# Altium PCB LPCB235R0.PcbDoc (part 3 of 7)
Units mm, origin at the board's own origin, x right, y up, seen from the top; angles counter-clockwise.
Board outline 134 x 120 mm, 6 copper layers (Top Layer, IP1(DGND), MidLayer1, MidLayer2, IP2(D3V3), Bottom Layer), stack 1.623 mm thick; 472 components, 425 nets, 2110 pads, 1126 vias.
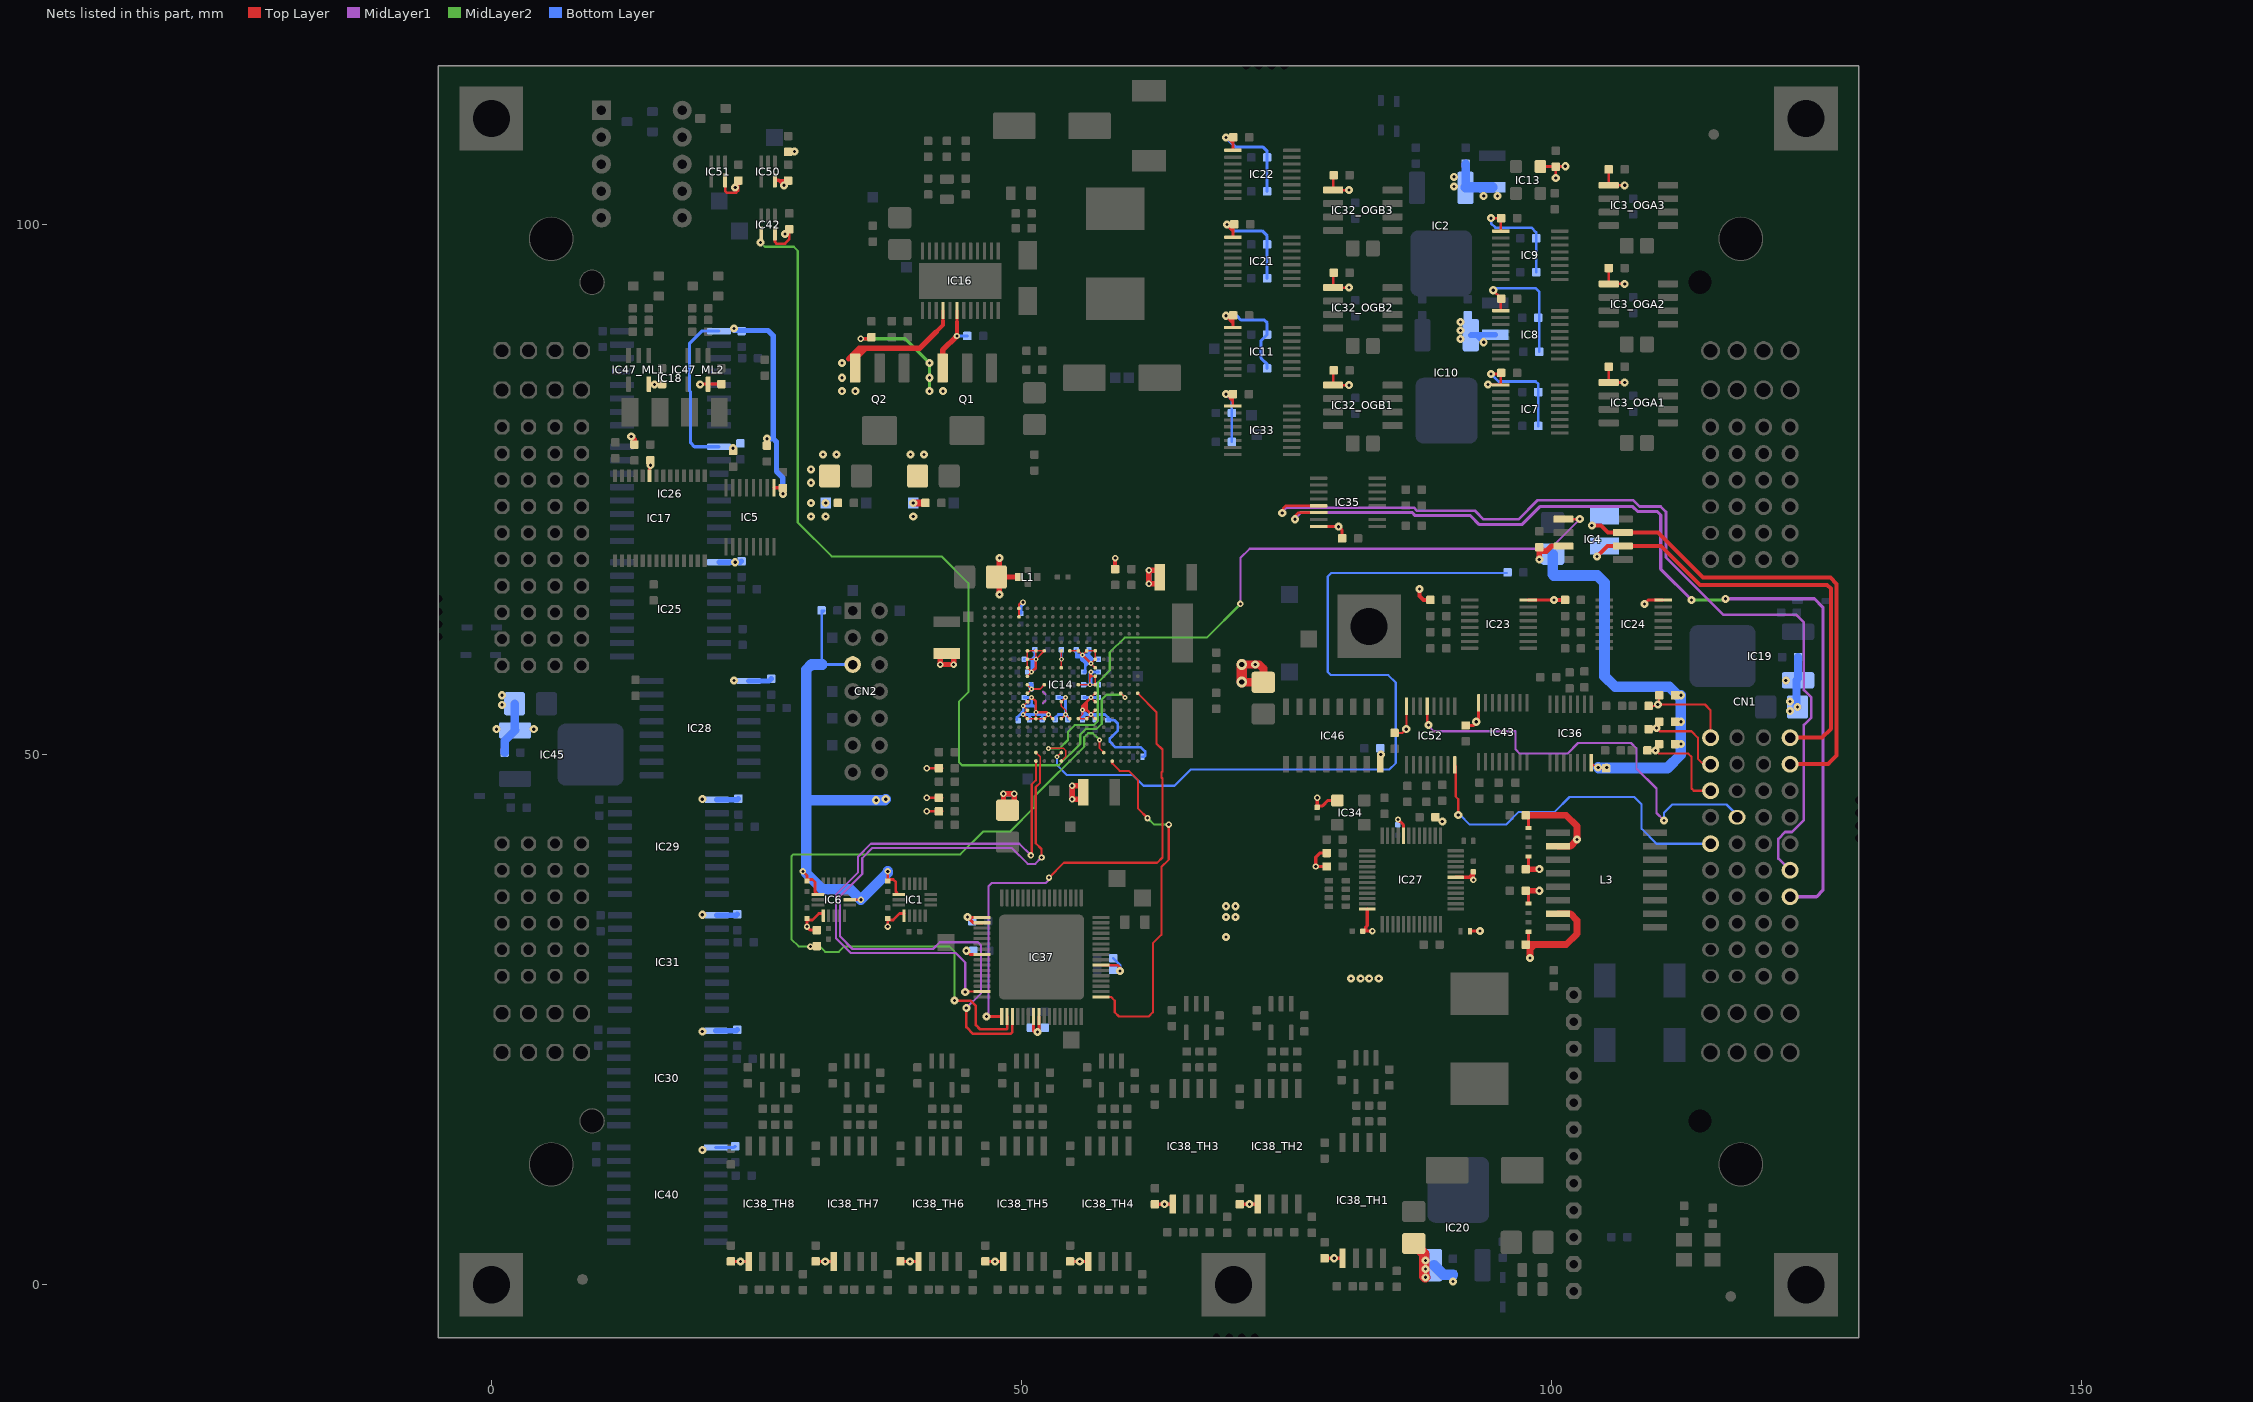
[diagram p7: the nets of this part, all layers, seen from the top]

## Via types
v1: diameter 0.762, hole 0.3, Top Layer to Bottom Layer, tented both sides, 756 vias
v2: diameter 0.61, hole 0.3, Top Layer to Bottom Layer, tented both sides, 135 vias
v3: diameter 0.457, hole 0.2, Top Layer to Bottom Layer, tented both sides, 98 vias
v4: diameter 1.016, hole 0.5, Top Layer to Bottom Layer, tented both sides, 57 vias
v5: diameter 0.6, hole 0.3, Top Layer to Bottom Layer, 30 vias
v6: diameter 0.559, hole 0.3, Top Layer to Bottom Layer, tented both sides, 24 vias
v7: diameter 0.6, hole 0.3, Top Layer to Bottom Layer, tented both sides, 18 vias
v8: diameter 1.1, hole 0.6, Top Layer to Bottom Layer, 8 vias

## Nets (pads, with @x,y where several pads share a name; then routed paths per layer and width w, separated by ;. In a path a pad name is that pad's centre, name@x,y a point inside that pad or via, vN(x,y) a via of type N, cw(c..) or ccw(c..) an arc to the next point about the centre after c; other vN are vias at no path point) (continued)
BRAKE2_SW_EXT: CN1.3D_B IC52.13 | length 40.6
  Top Layer w0.203: IC52.13@88.275,54.575 88.275,52.925 v1(88.4,52.8)
  MidLayer1 w0.203: v1(88.4,52.8) 88.4,52.7 88.9,52.2 96.6,52.2 96.6,50.5 97,50.1 101.5,50.1 102.5,51.1 107.5,51.1 108,50.6 108,48.7 109.9,46.8 109.9,44.5 v1(110.6,43.8)
  Bottom Layer w0.203: v1(110.6,43.8) 110.6,44.5 111.4,45.3 116.5,45.3 117.5,44.3 CN1.3D_B@117.5,44.1
BRAKE2_SW_RET: CN1.4E_B IC52.8 | length 33.3
  Top Layer w0.203: IC52.8@90.875,49.025 90.96,48.94 90.96,46.04 91.2,45.8 v1(91.2,44.3)
  Bottom Layer w0.203: v1(91.2,44.3) 91.4,44.3 92.3,43.4 95.7,43.4 96.9,44.6 100.3,44.6 101.7,46 107.8,46 108.5,45.3 108.5,43 109.9,41.6 CN1.4E_B@115,41.6
CAN_FAST_H: CN1.1B_B IC4.7 R3.1 | length 46.3
  Top Layer w0.381: v1(103.8,71.6) 104.673,71.6 105.327,70.946 IC4.7@106.73,70.946 110.054,70.946 114.3,66.7 126.3,66.7 126.9,66.1 126.9,49.9 126.1,49.1 CN1.1B_B@122.5,49.1
CAN_FAST_L: CN1.1A_B IC4.6 R3.2 | length 41.5
  Top Layer w0.381: v1(104.3,68.7) 105.276,69.676 IC4.6@106.73,69.676 110.324,69.676 114,66 126,66 126.341,65.659 126.341,52.441 125.5,51.6 CN1.1A_B@122.5,51.6
CAN_FAST_RX: IC14.B10 R5.1 | length 75.4
  Top Layer w0.152: v3(53.365,49.795) IC14.B10@53.765,50.195
  Bottom Layer w0.203: v3(53.365,49.795) 53.365,48.995 54.274,48.086 60.496,48.086 61.512,47.07 64.433,47.07 65.957,48.594 84.694,48.594 85.3,49.2 85.3,56.8 84.6,57.5 79.2,57.5 78.9,57.8 78.9,66.8 79.236,67.136 R5.1@95.8,67.136
CAN_FAST_TX: IC4.1 IC14.A10 | length 69.5
  Top Layer w0.152: v3(52.565,50.595) 53.965,50.595 54.165,50.395 54.165,49.795 IC14.A10@53.765,49.395
  Top Layer w0.254: IC4.1@101.13,72.216 v1(102.66,72.216)
  MidLayer1 w0.203: v2(70.656,64.215) 70.656,68.556 71.522,69.422 99.866,69.422 v1(102.66,72.216)
  MidLayer2 w0.203: v3(52.565,50.595) 53.607,50.595 54.4,51.388 54.4,52.15 55.035,52.785 56.813,52.785 57.194,53.166 57.194,56.794 58.337,57.937 58.337,59.643 59.734,61.04 67.481,61.04 v2(70.656,64.215)
CHA_DAC_NCNVT: IC14.B13 IC37.3 | length 66.4
  Top Layer w0.152: IC14.B13@51.365,50.195 51.765,49.795 51.765,48.975
  Top Layer w0.203: 51.765,48.975 51.765,47.356 51.352,46.943 51.352,41.648 51.9,41.1 v2(51.9,40.3)
  Top Layer w0.25: v1(44.8,26.1) 44.8,24.3 45.428,23.672 ; 46.3,23.672 45.428,23.672 ; IC37.3@49.15,25.3 49.15,23.85 48.972,23.672 45.428,23.672
  MidLayer1 w0.203: v1(44.8,26.1) 46.2,27.5 46.2,32 45.9,32.3 43.3,32.3 42.3,32.3 41.665,31.665 34.074,31.665 32.881,32.858 32.881,36.642 34.981,38.742 34.981,40.242 35.939,41.2 49.1,41.2 50.6,39.7 51.3,39.7 v2(51.9,40.3)
CHA_DAC_NDAV: IC14.B5 IC37.2 R78.1 | length 74.8
  Top Layer w0.152: v3(57.365,51.395) 57.365,50.595 IC14.B5@57.765,50.195
  Top Layer w0.25: v1(43.7,26.8) 45.2,26.8 45.7,26.3 45.7,24.5 46.1,24.1 ; 47.3,24.1 46.1,24.1 ; IC37.2@48.65,25.3 48.65,24.15 48.6,24.1 46.1,24.1
  MidLayer2 w0.203: v1(43.7,26.8) 43.7,31.4 43.184,31.916 33.3,31.916 32.784,31.4 31.5,31.4 30.984,31.916 28.984,31.916 28.3,32.6 28.3,40.4 28.493,40.593 44.24,40.593 46.399,42.752 48.939,42.752 51.225,45.038 51.225,46.054 55.924,50.753 55.924,51.642 56.305,52.023 56.737,52.023 v3(57.365,51.395)
  other v2: 30.1,31.9
CHA_DAC_NRST: IC14.J1 IC37.1 | length 47.8
  Top Layer w0.203: v2(52.6,38.4) 54,39.8 62.8,39.8 63.3,40.3 63.3,47.758 63.214,47.844 63.214,48.328 63.3,48.414 63.3,50.489 62.731,51.058 62.731,54.029 IC14.J1@60.965,55.795
  Top Layer w0.25: v1(46.7,25.3) IC37.1@48.15,25.3
  MidLayer1 w0.203: v1(46.7,25.3) 46.9,25.5 46.9,29.6 46.9,37.6 47.2,37.9 52.3,37.9 v2@52.6,38.2
CHA_NDSC_CLR0: IC14.A4 IC37.17 | length 34.3
  Top Layer w0.203: IC37.17@57.5,27.15 58.45,27.15 58.8,26.8 58.8,25.7 59.2,25.3 62,25.3 62.4,25.7 62.4,32.2 63.2,33 63.2,39.4 63.9,40.1 v2(63.9,43.4) ; IC14.A4@58.565,49.395 58.565,49.179 59.277,48.467 60.115,48.467 61.004,47.578 61.004,44.911 v2(61.893,44.022)
  MidLayer2 w0.203: v2(61.893,44.022) 62.515,43.4 v2(63.9,43.4)
CHA_NDSC_CLR1: IC14.A13 IC37.63 | length 52.6
  Top Layer w0.203: v1(44.7,27.6) 44.75,27.65 IC37.63@46.3,27.65 ; v2@50.971,40.339 50.971,47.197 51.365,47.591 IC14.A13@51.365,49.395
  MidLayer1 w0.203: v1(44.7,27.6) 44.7,30.4 43.816,31.284 33.916,31.284 32.5,32.7 32.5,36.8 34.6,38.9 34.6,40.4 35.8,41.6 49.8,41.6 v2(50.9,40.5)
CHA_WDT_PULSE: IC14.J3 IC42.4 | length 86.2
  Top Layer w0.152: IC14.J3@59.365,55.795 v3(59.765,55.395)
  MidLayer2 w0.203: v1(25.4,98.3) 25.8,97.9 28.519,97.9 28.9,97.519 28.9,71.9 32.1,68.7 42.461,68.7 45,66.161 45,55.9 44.1,55 44.1,49.3 44.4,49 53.536,49 55.543,51.007 55.543,51.896 56.051,52.404 57.067,52.404 57.575,52.912 57.575,55.205 58.025,55.655 59.505,55.655 v3(59.765,55.395)
CM30_RX: CN1.1F_B IC35.13 | length 90.2
  Top Layer w0.25: v1@74.7,72.9 74.7,73.25 74.925,73.475 IC35.13@78.025,73.475
  MidLayer1 w0.25: v1(74.6,72.8) 74.6,72.9 75,73.3 87.028,73.3 87.332,72.996 92.804,72.996 93.604,72.196 96.896,72.196 98.7,74 107.7,74 108.3,73.4 110.3,73.4 110.8,72.9 110.8,68.6 116.196,63.204 123.068,63.204 123.804,62.468 123.804,56.096 ; CN1.1F_B@122.5,39.1 121.397,40.203 121.397,42.057 122.043,42.703 122.662,42.703 123.804,43.845 123.804,52.8 124.5,53.496 124.5,55.4 123.804,56.096 ; 123.804,58.8 123.804,56.096
CM30_TX: CN1.1G_B IC35.14 | length 91
  Top Layer w0.25: v1@75.6,72.3 76.125,72.825 IC35.14@78.025,72.825
  MidLayer1 w0.3: v1(75.8,72.2) 75.8,72.3 76.347,72.847 86.841,72.847 87.145,72.543 92.357,72.543 93.2,71.7 97.2,71.7 98.9,73.4 107.66,73.4 108.112,72.947 109.953,72.947 110.3,72.6 110.3,67.5 v1(113.2,64.6) ; v1(116.4,64.7) 124.8,64.7 125.6,63.9 125.6,37.2 125,36.6 CN1.1G_B@122.5,36.6
  MidLayer2 w0.3: v1(113.2,64.6) 116.3,64.6 v1(116.4,64.7)
CONT_LASER_1: CN1.4A_B R48.1 R67.1 | length 9.6
  Top Layer w0.203: R67.1@109.15,54.6 109.9,54.6 v1(110.025,54.725) ; R48.1@110.15,55.6 110.15,54.85 v1(110.025,54.725) ; CN1.4A_B@115,51.6 115,54.2 114.475,54.725 v1(110.025,54.725)
CONT_LASER_2: CN1.4B_B R70.1 R71.1 | length 9
  Top Layer w0.203: R71.1@109.15,52.4 109.45,52.4 R70.1@110.15,53.1 ; v1(109.9,52.5) 110.2,52.2 113.2,52.2 113.8,51.6 113.8,49.6 114.3,49.1 CN1.4B_B@115,49.1
CONT_LASER_3: CN1.4C_B R75.1 R76.1 | length 9.9
  Top Layer w0.203: R76.1@109.05,50.4 109.55,50.4 R75.1@110.15,51 ; v1(109.8,50.4) 110.1,50.1 112.9,50.1 113.2,49.8 113.2,46.8 113.4,46.6 CN1.4C_B@115,46.6
D1V2_CPU: C32.1 C33.1 C34.1 C35.1 C41.1 C42.1 C43.1 C44.1 C45.1 C66.1 CT6.1 CT7.1 CT12.1 IC14.F9 IC14.F10 IC14.H10 IC14.J14 IC14.K6 IC14.K8 IC14.K12 IC14.K14 IC14.L6 IC14.M10 IC14.P10 IC16.16 L1.1 Q2.3 TP20.1 | length 54.4
  Top Layer w0.152: IC14.J14@50.565,55.795 v3(50.965,56.195) ; IC14.K14@50.565,56.595 v3(50.965,56.195) ; IC14.K12@52.165,56.595 51.765,56.195 v3(50.965,56.195) ; IC14.F10@53.765,53.395 v3(54.165,53.795) ; IC14.M10@53.765,58.195 v3(53.765,58.995) IC14.P10@53.765,59.795 ; v3(54.165,55.395) IC14.H10@53.765,54.995 53.765,54.595 54.165,54.195 v3(54.165,53.795) ; IC14.F9@54.565,53.395 v3(54.165,53.795) ; IC14.K8@55.365,56.595 v3(56.459,56.595) ; v3(56.459,56.595) 56.459,57.195 ; v3(56.459,56.595) IC14.K6@56.965,56.595 IC14.L6@56.965,57.395 56.665,57.395 ; 56.459,57.195 56.465,57.195 56.665,57.395 ; 56.459,57.195 56.459,57.395 ; 56.459,57.395 56.665,57.395 ; 56.459,57.395 56.459,57.689 v3(56.565,57.795) 56.565,57.495 56.665,57.395
  Top Layer w0.305: 42.615,90.911 IC16.16@42.615,91.895
  Top Layer w0.381: 41.954,89.869 42.615,90.53 42.615,90.911
  Top Layer w0.508: 33.685,87.315 34.715,88.345 35.35,88.345 ; Q2.3@34.32,86.469 34.32,87.315 35.35,88.345 ; 41.954,89.869 40.43,88.345 35.35,88.345 ; v1(47.923,65.104) 47.923,66.477 CT6.1@47.645,66.755 ; v1(47.923,68.533) 47.923,67.033 CT6.1@47.645,66.755 ; L1.1@49.69,66.755 CT6.1@47.645,66.755 ; v2(42.335,58.5) v2(43.605,58.5) 43.605,59.262 43.327,59.54 C45.1@42.97,59.54 42.613,59.54 42.335,59.262 v2(42.335,58.5) ; CT7.1@48.304,45.141 v2(48.304,46.308) v2(49.32,46.308) 49.32,45.395 CT7.1@48.685,44.76 CT7.1@48.304,45.141
  MidLayer1 w0.203: 50.462,55.098 50.668,54.892 ; 52.025,54.855 52.268,55.098 ; 52.03,55.93 52.268,55.692
  Bottom Layer w0.254: v3(50.965,56.195) v3@50.965,56.295 ; C43.1@53.184,53.295 53.184,53.495 53.484,53.795 v3(54.165,53.795) ; C44.1@53.465,55.395 v3(54.165,55.395) v3(54.165,53.795) ; v3(53.765,58.995) C33.1@53.765,59.905 ; v3@54.057,53.795 C41.1@54.357,53.495 ; C41.1@54.357,53.295 C41.1@54.357,53.495 ; C32.1@55.865,56.595 v3(56.459,56.595) ; C34.1@57.265,56.595 v3(56.459,56.595) ; C35.1@57.265,57.795 v3(56.565,57.795) ; v3(54.165,53.795) 54.357,53.603 C41.1@54.357,53.495 ; v3(56.459,56.595) 56.565,56.701 v3(56.565,57.795) ; v3(56.459,56.595) 56.459,57.689 v3(56.565,57.795)
  Bottom Layer w0.508: v2(42.335,58.5) v2(43.605,58.5) ; v2(48.304,46.308) v2(49.32,46.308) ; C42.1@50.9,56.6 50.9,56.26 v3(50.965,56.195)
  other v1: 30.143,72.47 31.54,72.47 30.143,73.74 31.54,73.74 30.143,75.645 30.143,76.915 31.286,78.312 32.556,78.312 33.064,84.281 34.334,84.281 33.064,85.551 33.064,86.948
D3V3_ASI: C3.1 C4.1 C22.1 C23.1 C77.1 C78.1 C84.1 C85.1 C91.1 C92.1 C139.1 CT2.1 IC5.1 IC17.9 IC18.1 IC25.1 IC26.1 IC28.1 IC29.1 IC30.1 IC31.1 IC40.1 IC45.3 R9.2 R31.2 R32.2 | length 56.2
  Top Layer w0.3: IC17.9@14.925,76.3 14.925,77.225 v1(15,77.3) ; IC5.1@26.675,75.175 27.475,75.175 C3.1@27.5,75.15 v1(27.5,74.6)
  Top Layer w0.5: v1(13.2,80) 13.5,79.7 R32.2@13.5,79.25
  Bottom Layer w0.3: IC40.1@21.175,12.945 22.895,12.945 C92.1@23,13.05 ; IC26.1@21.475,79.045 19.155,79.045 18.8,79.4 18.8,84.2 18.7,84.3 18.7,88.8 19.845,89.945 IC18.1@21.475,89.945
  Bottom Layer w0.5: IC30.1@21.175,23.945 23.095,23.945 C85.1@23.2,24.05 ; IC31.1@21.275,34.845 23.095,34.845 C91.1@23.2,34.95 ; IC29.1@21.275,45.745 23.195,45.745 C84.1@23.3,45.85 ; IC25.1@21.475,68.145 23.495,68.145 C23.1@23.6,68.25 ; v1(22.9,90.2) 22.9,90 26.1,90 26.6,89.5 26.6,79.8 ; IC28.1@24.275,56.945 26.195,56.945 C78.1@26.4,57.15 ; v1(26,79.8) 26.6,79.8 ; v1(27.5,74.6) 27.5,76.1 26.9,76.7 26.9,79.5 26.6,79.8
  Bottom Layer w0.8: C139.1@1.25,50.2 1.25,51.295 IC45.3@2.241,52.286 2.2,52.327 CT2.1@2.2,54.8
  other v1: 19.9,12.7 19.9,23.9 19.9,34.9 19.9,45.8 0.5,52.4 4,52.4 1,54.7 1,55.6 22.9,57 23,68.145 22.8,78.9
D3V3_CPU: C9.1 C10.1 C19.1 C24.1 C31.1 C36.1 C37.1 C38.1 C39.1 C40.1 C46.1 C47.1 C48.1 C49.1 C50.1 C51.1 C52.1 C53.1 C54.1 C55.1 C56.1 C57.1 C58.1 C65.1 C89.1 C95.1 C108.1 C109.1 C110.1 C111.1 C119.1 C124.1 C125.1 C137.1 C143.1 C144.1 CN2.5 CT8.1 CT11.1 IC1.1 IC1.14 IC6.1 IC6.7 IC6.14 IC14.F6 IC14.F7 IC14.F8 IC14.F11 IC14.F12 IC14.F13 IC14.F14 IC14.G6 IC14.G14 IC14.H6 IC14.H14 IC14.J6 IC14.L14 IC14.M6 IC14.M14 IC14.N6 IC14.N14 IC14.P6 IC14.P7 IC14.P8 IC14.P9 IC14.P12 IC14.P13 IC14.P14 IC14.V15 IC14.W15 IC16.18 IC27.19 IC27.32 IC27.48 IC34.4 IC37.7 IC37.8 IC42.5 IC50.5 IC51.5 L3.2 L3.7 Q1.3 R11.2 R12.1 R16.2 R17.2 R18.2 R24.1 R25.1 R41.2 R42.2 R46.1 R47.1 R51.1 R52.2 R53.1 R54.2 R78.2 R84.2 R85.2 R89.2 TP18.1 | length 235.5
  Top Layer w0.152: IC14.L14@50.565,57.395 v3(50.965,57.795) IC14.M14@50.565,58.195 IC14.N14@50.565,58.995 ; v3(50.965,55.395) IC14.H14@50.565,54.995 v3(50.165,54.595) IC14.G14@50.565,54.195 v3(50.165,53.795) IC14.F14@50.565,53.395 IC14.F13@51.365,53.395 ; v3(51.365,53.995) IC14.F13@51.365,53.395 ; IC14.F11@52.965,53.395 v3(52.565,53.795) IC14.F12@52.165,53.395 IC14.F13@51.365,53.395 ; IC14.P9@54.565,59.795 54.565,59.735 54.505,59.795 IC14.P8@55.365,59.795 v3(55.765,59.395) IC14.P7@56.165,59.795 IC14.P6@56.965,59.795 IC14.N6@56.965,58.995 v3(56.565,58.595) IC14.M6@56.965,58.195 ; v3(55.765,54.195) 55.765,53.795 IC14.F8@55.365,53.395 IC14.F7@56.165,53.395 v3(56.565,53.795) ; IC14.F6@56.965,53.395 v3(56.565,53.795) ; IC14.G6@56.965,54.195 v3(56.565,53.795) ; IC14.H6@56.965,54.995 v3(56.565,55.395) IC14.J6@56.965,55.795 ; IC14.N14@50.565,58.995 v3(51.365,58.995) ; IC14.N14@50.565,58.995 IC14.P14@50.565,59.795 IC14.P13@51.365,59.795 ; v3(51.365,58.995) IC14.P12@52.165,59.795 IC14.P13@51.365,59.795 ; v3(51.365,58.995) IC14.P13@51.365,59.795
  Top Layer w0.203: IC6.7@33.615,36.316 v2(34.855,36.316) ; IC14.V15@49.765,62.995 IC14.W15@49.765,63.795 49.765,64.152 49.862,64.249 ; 49.862,64.249 50.048,64.249 50.082,64.215 50.158,64.291 v6(50.158,64.367) 49.98,64.367 49.862,64.249
  Top Layer w0.25: IC51.5@22.05,104.175 22.05,103.15 22.2,103 23.1,103 23.3,103.2 C143.1@23.3,104.15 ; IC42.5@26.75,99.175 26.75,98.35 26.9,98.2 27.7,98.2 28.1,98.6 C137.1@28.1,99.55
  Top Layer w0.254: v2(29.394,38.983) 29.775,38.602 C95.1@29.775,38.086 29.91,38.221 30.283,38.221 30.537,37.967 30.537,37.078 30.799,36.816 IC6.14@31.015,36.816 ; v2(29.775,33.776) C58.1@29.775,34.546 29.91,34.411 30.283,34.411 30.888,35.016 IC6.1@31.315,35.016 ; v2(37.395,33.776) C9.1@37.395,34.546 37.53,34.411 37.903,34.411 38.508,35.016 IC1.1@38.935,35.016 ; v2(37.395,38.983) C10.1@37.395,38.086 37.53,38.221 37.903,38.221 38.157,37.967 38.157,37.078 38.419,36.816 IC1.14@38.635,36.816 ; v2(41.065,44.657) R12.1@42.52,44.657 ; v2(41.065,45.927) R17.2@42.52,45.927 ; v2(41.065,48.721) R18.2@42.52,48.721 ; v3(50.965,55.395) 51.365,54.995 v3(51.365,53.995) 52.365,53.995 v3(52.565,53.795) ; v3(50.965,57.795) 51.365,58.195 v3(51.365,58.995) ; v3(55.765,59.395) v3(56.565,58.595) ; v3@55.965,54.195 55.965,54.795 ; v3(56.565,53.795) 56.165,54.195 ; v3(56.565,55.395) 56.165,54.995 ; 55.965,54.795 56.165,54.995 ; 55.965,54.795 55.765,54.595 v3(55.765,54.195) 56.165,54.195 ; 56.165,54.195 56.165,54.995
  Top Layer w0.305: IC50.5@26.75,104.175 27.125,104.175 27.15,104.15 ; v1(27.6,103.7) 27.15,104.15 ; C144.1@28,104.15 27.15,104.15 ; v2(29.775,33.776) 30.101,33.45 R78.2@30.7,33.45 ; v2(34.842,89.234) 35.719,89.234 R25.1@35.858,89.373 ; 43.915,90.814 IC16.18@43.915,91.895 ; IC37.7@51.15,25.3 51.15,23.95 51.4,23.7 51.65,23.95 IC37.8@51.65,25.3 ; C119.1@77.895,45.03 v2(77.895,45.927) ; C119.1@77.895,45.165 78.403,45.165 78.918,45.68 IC34.4@79.8,45.68 ; R41.2@78.796,39.45 v2(77.768,39.45) 77.768,40.339 78.149,40.72 R42.2@78.796,40.72 ; C24.1@82.205,33.354 v2(83.102,33.354) ; 82.467,33.354 82.467,33.735 82.61,33.878 IC27.48@82.61,35.43 ; v6(85.515,43.895) 86.035,43.375 IC27.32@86.035,42.355 ; IC27.19@90.96,38.43 v2@92.623,38.43 ; 92.246,38.43 92.627,38.811 C19.1@92.627,38.95 v2(92.627,38.18) ; R47.1@92.315,33.354 v1(93.262,33.354) ; C109.1@97.568,32.084 97.834,32.35 R54.2@97.834,33.285 ; C110.1@97.768,37.164 97.834,37.098 R53.1@97.834,35.963 ; C111.1@97.768,39.196 97.834,39.262 R52.2@97.834,40.397 ; R51.1@97.834,43.075 C108.1@97.834,44.21
  Top Layer w0.381: v2(43.915,89.488) 43.915,90.814 ; R11.2@58.845,67.505 v2(58.845,68.533)
  Top Layer w0.508: Q1.3@42.575,86.469 42.575,88.148 v2(43.915,89.488) ; C110.1@97.768,37.164 v1(98.85,37.164) ; C111.1@97.768,39.196 v1(98.85,39.196) ; v2(54.781,45.8) 55.543,45.8 55.821,46.078 C46.1@55.821,46.435 55.821,46.792 55.543,47.07 v2(54.781,47.07) v2(54.781,45.8) ; v2(62.02,66.12) 62.782,66.12 63.06,66.398 C52.1@63.06,66.755 63.06,67.112 62.782,67.39 v2(62.02,67.39) v2(62.02,66.12)
  Top Layer w0.635: v1(39.795,73.74) C65.1@40.95,73.74 ; C109.1@97.568,32.084 98.4,32.084 ; C108.1@97.768,44.276 101.39,44.276 102.406,43.26 v1(102.406,41.99) 101.771,41.355 L3.2@100.625,41.355 ; v1(97.961,30.814) 97.961,31.645 98.4,32.084 ; L3.7@100.625,35.005 101.771,35.005 102.406,34.37 102.406,33.1 101.39,32.084 98.4,32.084
  Top Layer w0.762: v4(70.783,56.849) 70.807,56.825 CT8.1@72.815,56.825 72.815,58.119 72.434,58.5 v1(72.053,58.5) v4(70.783,58.5)
  Top Layer w1.016: v4(70.783,56.849) v4(70.783,58.5)
  MidLayer2 w0.305: v2(34.842,89.234) 39.033,89.234 v1(41.319,86.948) v1(41.319,84.281)
  Bottom Layer w0.254: 31.2,58.5 31.413,58.5 ; CN2.5@34.08,58.5 31.413,58.5 ; C49.1@49.565,53.295 49.565,53.495 49.865,53.795 ; C31.1@49.955,63.318 49.955,63.961 ; C39.1@50.265,55.395 v3(50.965,55.395) 50.965,54.795 ; C51.1@50.265,58.995 50.965,58.995 ; C48.1@50.765,53.295 50.765,53.795 ; 50.965,58.595 51.165,58.795 ; C53.1@51.265,59.895 51.265,59.295 ; C38.1@51.965,53.295 51.965,53.695 ; v3(52.565,53.795) 52.065,53.795 ; C57.1@55.165,59.895 55.165,59.395 ; 55.632,58.995 56.032,58.595 ; C37.1@55.765,53.295 C37.1@55.765,53.495 ; 55.765,53.795 v3(56.565,53.795) 57.889,53.795 58.165,53.519 ; C40.1@55.865,55.395 v3(56.565,55.395) C56.1@57.265,55.395 ; C47.1@55.865,57.795 56.032,57.795 56.032,58.362 ; 56.065,53.795 C37.1@55.765,53.495 ; 56.165,53.795 v3(55.765,54.195) C37.1@55.765,53.495 ; C54.1@56.365,59.895 56.365,59.395 ; v3@56.665,53.795 C36.1@56.965,53.495 ; C36.1@56.965,53.295 C36.1@56.965,53.495 ; 57.248,53.778 C36.1@56.965,53.495 ; C55.1@57.265,58.995 56.765,58.995 ; R85.2@58.391,53.293 58.165,53.519 ; R84.2@61.415,49.795 61.565,49.795 61.665,49.895 61.665,50.295 61.265,50.695 58.865,50.695 58.337,51.223 58.337,51.533 59.099,52.295 59.099,52.912 58.766,53.245 R85.2@58.165,53.245 58.165,53.519 ; 31.159,58.754 R16.2@31.159,63.326 ; 31.159,58.754 31.159,58.5 31.159,58.246 31.413,58.5 ; 31.159,58.754 31.413,58.5 ; R16.2@31.159,63.326 31.159,63.58 31.413,63.58 R16.2@31.159,63.326 ; 49.865,53.795 v3(50.165,53.795) ; 49.865,53.795 50.165,54.095 ; 49.955,63.961 49.955,64.164 v6(50.158,64.367) 50.158,64.164 49.955,63.961 ; v3(50.165,53.795) 50.165,54.095 ; v3(50.165,53.795) 50.765,53.795 ; 50.165,54.095 v3(50.165,54.595) 50.765,54.595 ; 50.765,53.795 51.165,53.795 ; 50.765,54.595 50.965,54.595 ; 50.765,54.595 50.965,54.795 ; 50.965,54.595 50.965,54.795 ; 50.965,54.595 51.165,54.595 ; 50.965,54.795 51.165,54.595 ; 50.965,58.995 v3(50.965,57.795) 51.165,57.995 ; 50.965,58.995 v3(51.365,58.995) ; 50.965,58.995 51.265,59.295 ; 51.165,53.795 v3(51.365,53.995) ; 51.165,53.795 51.565,53.795 ; 51.165,54.595 51.365,54.395 v3(51.365,53.995) ; 51.165,57.995 51.165,58.795 ; 51.165,57.995 51.365,58.195 v3(51.365,58.995) ; 51.165,58.795 v3(51.365,58.995) ; 51.265,59.295 51.365,59.195 v3(51.365,58.995) ; v3(51.365,53.995) 51.565,53.795 ; 51.565,53.795 51.865,53.795 ; 51.865,53.795 52.065,53.795 ; 51.865,53.795 51.965,53.695 ; 51.965,53.695 52.065,53.795 ; 55.165,59.395 55.465,59.395 v3(55.765,59.395) ; 55.165,59.395 55.165,59.195 55.732,59.195 56.032,58.895 ; v3(55.765,59.395) 56.032,59.128 56.032,58.895 ; v3(55.765,59.395) 56.065,59.395 ; 56.032,58.362 56.032,58.595 ; 56.032,58.362 56.265,58.595 ; 56.032,58.595 56.032,58.895 ; 56.065,59.395 56.265,59.395 ; 56.065,59.395 56.065,58.795 56.265,58.595 ; 56.265,58.595 v3(56.565,58.595) ; 56.265,58.595 56.265,59.395 ; 56.265,59.395 56.365,59.395 ; 56.365,59.395 56.565,59.195 ; 56.365,59.395 56.365,58.795 v3(56.565,58.595) ; v3(56.565,58.595) v3@56.565,58.795 ; v3@56.565,58.795 56.765,58.995 ; v3@56.565,58.795 56.565,59.195 ; 56.565,59.195 56.765,58.995
  Bottom Layer w0.305: v2(43.915,89.488) R24.1@44.887,89.488
  Bottom Layer w0.508: v2(54.781,45.8) v2(54.781,47.07) ; v2(62.02,66.12) v2(62.02,67.39)
  Bottom Layer w1: 31.2,58.5 31.159,58.5 30.2,58.5 29.7,58 29.7,45.7 ; v1(37.2,45.8) 37.1,45.7 29.7,45.7 ; v2(37.395,38.983) 37.395,38.856 v2(34.855,36.316) 33.871,37.3 31.2,37.3 29.7,38.8 29.7,45.7
  other v1: 51.525,23.825 81.1,28.9 82,28.9 82.8,28.9 83.7,28.9 69.3,32.8 69.3,34.7 70.2,34.7 69.3,35.7 70.2,35.7 89.7,43.7 36.3,45.7 39.795,72.47 39.541,78.312 40.811,78.312 42.589,84.281 41.319,85.551 27.7,99.1 23,103.5 28.6,106.9
D3V3_IO: C81.1 C98.1 C102.1 C130.1 C145.1 CT13.1 IC19.3 IC23.16 IC24.16 IC43.16 IC52.16 | length 18.5
  Top Layer w0.203: C145.1@85.2,52.05 85.95,52.05 86.325,52.425 IC52.16@86.325,54.575
  Top Layer w0.3: C130.1@91.9,52.75 92.65,52.75 93.125,53.225 IC43.16@93.125,54.875
  Top Layer w0.305: IC23.16@97.815,64.585 v1@100.236,64.585 ; v1(108.756,64.215) 109.126,64.585 IC24.16@110.515,64.585
  Top Layer w0.381: v1(87.547,65.612) 87.547,64.977 87.928,64.596 C98.1@88.575,64.596 ; v1(100.247,64.596) C102.1@101.275,64.596
  Bottom Layer w0.762: v1(123.2,54.5) 123.1,54.6 123.1,57.014 123.25,57.164 C81.1@123.25,59.2
  other v1: 86.3,52.4 92.9,53.1 122.5,54.1 122.5,55 122.1,57
D3V3_SER: C1.1 C6.1 C7.1 C8.1 C12.1 C13.1 C18.1 C21.1 C88.1 C113.1 C116.1 IC2.3 IC7.1 IC8.1 IC9.1 IC11.1 IC13.4 IC21.1 IC22.1 IC33.1 IC35.16 R1.2 R2.2 R7.2 R8.2 R19.2 R20.2 R40.2 R55.2 R58.2 R59.2 R60.2 R61.2 R64.2 R65.2 | length 85.5
  Top Layer w0.25: v1(94,84.9) 94.025,84.875 IC7.1@95.225,84.875 C8.1@95.225,85.975 ; v1(94.3,85.9) 95.15,85.9 C8.1@95.225,85.975 ; v1(94.3,100.6) 95.2,100.6 C1.1@95.225,100.575 ; v1(94.5,93.8) 95.225,93.075 IC8.1@95.225,91.875 ; IC9.1@95.225,99.375 C1.1@95.225,100.575 ; C8.1@95.25,86 C8.1@95.225,85.975 ; C1.1@95.25,100.6 C1.1@95.225,100.575 ; IC13.4@98.95,105.47 101.47,105.47 v1@101.5,105.5 ; v1(100.4,104.4) C6.1@100.4,105.45
  Top Layer w0.254: v1(69.3,84) 69.925,83.375 ; IC33.1@69.925,82.875 69.925,83.375 ; C116.1@69.95,84 69.925,83.975 69.925,83.375
  Top Layer w0.3: v1(69.3,91.4) 69.95,90.75 ; v1(69.3,108.2) 69.45,108.2 69.95,107.7 ; v1(69.4,100) 69.4,99.95 69.95,99.4 ; IC11.1@69.95,90.3 69.95,90.75 ; IC21.1@69.95,98.8 69.95,99.4 ; IC22.1@69.95,107 69.95,107.7 ; C18.1@69.975,91.425 69.95,91.4 69.95,90.75 ; C21.1@69.975,108.225 69.95,108.2 69.95,107.7 ; C88.1@70.075,100.025 69.95,99.9 69.95,99.4 ; IC35.16@78.025,71.525 79.875,71.525 80.25,71.15 C113.1@80.25,70.4
  Bottom Layer w0.25: IC2.3@91.886,103.459 91.9,103.473 IC2.3@91.927,103.5 ; v1(94.3,85.9) 95,85.2 98.5,85.2 98.75,84.95 R1.2@98.75,84.2 R2.2@98.75,81 ; v1(94.3,100.6) 94.3,100.1 94.7,99.7 98.1,99.7 98.55,99.25 R19.2@98.55,98.7 R20.2@98.55,95.5 ; v1(94.5,93.8) 94.7,94 98.5,94 98.85,93.65 R8.2@98.85,88
  Bottom Layer w0.254: v1(69.3,84) 69.85,83.45 R64.2@69.85,82.225 R65.2@69.85,79.5
  Bottom Layer w0.3: v1(69.3,91.4) 70.3,91.4 70.7,91 72.9,91 73.175,90.725 R40.2@73.175,89.625 72.6,89.05 72.6,87.4 73.175,86.825 R55.2@73.175,86.425 ; v1(69.3,108.2) 70.2,107.3 72.8,107.3 73.175,106.925 R60.2@73.175,106.325 R61.2@73.175,103.125 ; v1(69.4,100) 70,99.4 72.7,99.4 73.175,98.925 R58.2@73.175,98.125 R59.2@73.175,94.925
  Bottom Layer w0.8: IC2.3@91.9,103.473 C12.1@91.9,105.75
  Bottom Layer w1: IC2.3@91.927,103.5 C13.1@94.4,103.5
  other v1: 79.9,71.5 93.6,102.7 94.9,102.7 90.8,103.6 90.8,104.5 101.3,105.5
D5V_IO: C5.1 C82.1 C118.1 C120.1 C121.1 C122.1 C123.1 C134_TH1.1 C134_TH2.1 C134_TH3.1 C134_TH4.1 C134_TH5.1 C134_TH6.1 C134_TH7.1 C134_TH8.1 C140.1 C142_ML1.1 C142_ML2.1 CT1.1 CT14.1 IC4.3 IC20.3 IC36.14 IC37.23 IC37.49 IC37.50 IC37.56 IC38_TH1.1 IC38_TH2.1 IC38_TH3.1 IC38_TH4.1 IC38_TH5.1 IC38_TH6.1 IC38_TH7.1 IC38_TH8.1 IC46.16 IC47_ML1.5 IC47_ML2.5 R48.2 R70.2 R75.2 | length 74.1
  Top Layer w0.203: IC36.14@103.75,49.225 104.275,48.7 C118.1@105.15,48.7
  Top Layer w0.25: IC37.23@57.5,30.15 59.05,30.15 59.3,29.9 v1(59.3,29.6)
  Top Layer w0.3: IC47_ML1.5@14.85,84.95 C142_ML1.1@16.1,84.95 ; v1@19.7,84.95 C142_ML2.1@21.7,84.95 ; C134_TH8.1@22.595,2.2 v1(23.5,2.2) IC38_TH8.1@24.29,2.2 ; C134_TH7.1@30.595,2.2 v1(31.5,2.2) IC38_TH7.1@32.29,2.2 ; C134_TH6.1@38.595,2.2 v1(39.5,2.2) IC38_TH6.1@40.29,2.2 ; v1(44.8,31.5) 45.15,31.15 IC37.56@46.3,31.15 ; v1(44.9,34.7) v1@44.95,34.65 ; IC37.50@46.3,34.15 45.45,34.15 v1@44.95,34.65 ; IC37.49@46.3,34.65 v1@44.95,34.65 ; C134_TH5.1@46.595,2.2 v1(47.5,2.2) IC38_TH5.1@48.29,2.2 ; C134_TH4.1@54.595,2.2 v1(55.5,2.2) IC38_TH4.1@56.29,2.2 ; C134_TH3.1@62.595,7.6 v1(63.5,7.6) IC38_TH3.1@64.29,7.6 ; C134_TH2.1@70.595,7.6 v1(71.5,7.6) IC38_TH2.1@72.29,7.6 ; C134_TH1.1@78.595,2.5 v1(79.5,2.5) IC38_TH1.1@80.29,2.5
  Top Layer w0.508: v1(98.85,68.406) C5.1@98.85,69.561 ; C5.1@98.85,69.168 99.485,69.168 99.993,69.676 IC4.3@101.13,69.676
  Top Layer w1: CT14.1@87,3.9 88,2.9 88,0.8 v1(88.1,0.7)
  Bottom Layer w0.25: C121.1@58.65,30.8 59.3,30.15 v1(59.3,29.6)
  Bottom Layer w1: IC20.3@88.914,1.841 89.805,0.95 C82.1@90.7,0.95 ; CT1.1@100.1,68.9 100.1,67 100.2,66.9 104.3,66.9 105,66.2 105,57.4 106,56.4 111.1,56.4 v1@112.2,55.3 ; v1(104.4,48.8) 104.459,48.741 110.941,48.741 112.2,50 v1(112.2,51) v1(112.2,53.1) v1@112.2,55.3 ; v1(112.2,55.6) v1@112.2,55.3
  other v1: 90.7,0.3 88.1,1.5 88.1,2.3 105.2,48.8 83.9,50 15.4,84.9 19.7,84.9
D5V_SER: C14_OGA1.1 C14_OGA2.1 C14_OGA3.1 C16.1 C17.1 C112_OGB1.1 C112_OGB2.1 C112_OGB3.1 IC3_OGA1.1 IC3_OGA2.1 IC3_OGA3.1 IC10.3 IC32_OGB1.1 IC32_OGB2.1 IC32_OGB3.1 | length 21.8
  Top Layer w0.25: C112_OGB1.1@79.4,86.35 IC32_OGB1.1@79.4,84.855 79.405,84.85 v1(80.9,84.85) ; C112_OGB2.1@79.4,95.55 IC32_OGB2.1@79.4,94.055 79.405,94.05 v1(80.9,94.05) ; C112_OGB3.1@79.4,104.75 IC32_OGB3.1@79.4,103.255 79.405,103.25 v1(80.9,103.25) ; C14_OGA1.1@105.4,86.6 IC3_OGA1.1@105.4,85.105 105.405,85.1 v1(106.9,85.1) ; C14_OGA2.1@105.4,95.9 IC3_OGA2.1@105.4,94.405 105.405,94.4 v1(106.9,94.4) ; C14_OGA3.1@105.4,105.2 IC3_OGA3.1@105.4,103.705 105.405,103.7 v1(106.9,103.7)
  Bottom Layer w0.5: v1(93.6,88.9) 92.941,89.559 IC10.3@92.386,89.559 92.427,89.6 C17.1@94.7,89.6
  other v1: 91.4,89.2 91.4,90 91.4,90.8